# KiCad board Parallel.kicad_pcb (continued)
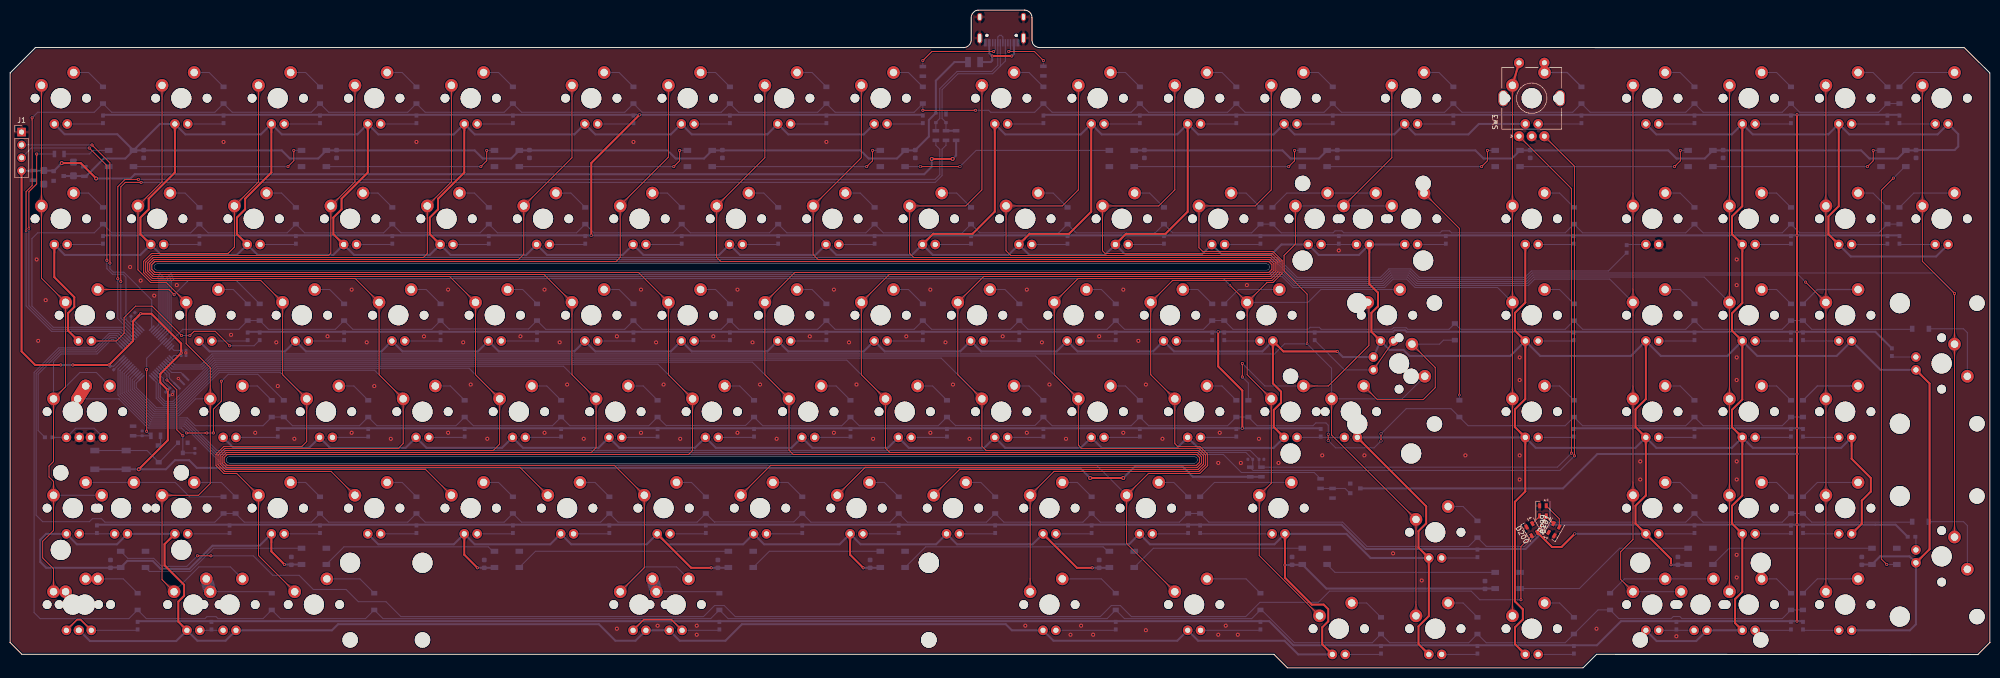
[diagram p0: board, top side]
## Copper pours and planes (outline as drawn; the poured copper is in the pictures) (continued)
Col5 on Top: 104.17,35.98 104.22,35.93 104.27,35.88 104.32,35.82 104.37,35.77 104.41,35.71 104.45,35.65 104.5,35.6 104.54,35.54 104.57,35.48 104.61,35.42 104.64,35.36 104.68,35.3 104.71,35.24 104.73,35.18 104.76,35.12 104.79,35.05 104.81,34.99 104.83,34.93 104.85,34.86 104.87,34.8 104.89,34.73 104.9,34.66 104.91,34.59 104.92,34.53 104.93,34.46 104.94,34.39 104.95,34.32 104.95,34.25 104.95,34.18 104.95,34.1 106.64,33.65 106.19,35.34 106.12,35.34 106.05,35.34 105.98,35.35 105.91,35.35 105.84,35.36 105.77,35.37 105.7,35.38 105.63,35.39 105.57,35.41 105.5,35.42 105.43,35.44 105.37,35.46 105.3,35.48 105.24,35.51 105.18,35.53 105.12,35.56 105.05,35.59 104.99,35.62 104.93,35.65 104.87,35.69 104.81,35.72 104.75,35.76 104.7,35.8 104.64,35.84 104.58,35.88 104.53,35.93 104.47,35.97 104.42,36.02 104.36,36.07 104.31,36.13
Col5 on Top: 115.83,50.37 115.83,50.44 115.83,50.51 115.83,50.59 115.84,50.66 115.85,50.73 115.86,50.8 115.87,50.87 115.88,50.94 115.9,51.01 115.91,51.07 115.93,51.14 115.95,51.21 115.97,51.27 116,51.34 116.02,51.4 116.05,51.46 116.08,51.52 116.11,51.58 116.14,51.64 116.17,51.7 116.21,51.76 116.24,51.82 116.28,51.87 116.32,51.93 116.37,51.99 116.41,52.04 116.45,52.09 116.5,52.15 116.55,52.2 116.6,52.25 115.73,53.77 114.85,52.25 114.9,52.2 114.95,52.15 115,52.09 115.05,52.04 115.09,51.99 115.13,51.93 115.17,51.87 115.21,51.82 115.25,51.76 115.28,51.7 115.32,51.64 115.35,51.58 115.38,51.52 115.41,51.46 115.43,51.4 115.46,51.34 115.48,51.27 115.5,51.21 115.52,51.14 115.54,51.07 115.56,51.01 115.57,50.94 115.59,50.87 115.6,50.8 115.61,50.73 115.61,50.66 115.62,50.59 115.62,50.51 115.63,50.44 115.63,50.37
Col5 on Top: 108.93,74.08 108.98,74.03 109.03,73.98 109.08,73.92 109.13,73.87 109.17,73.81 109.22,73.75 109.26,73.7 109.3,73.64 109.34,73.58 109.37,73.52 109.41,73.46 109.44,73.4 109.47,73.34 109.5,73.28 109.52,73.22 109.55,73.15 109.57,73.09 109.59,73.03 109.61,72.96 109.63,72.9 109.65,72.83 109.66,72.76 109.68,72.69 109.69,72.63 109.7,72.56 109.7,72.49 109.71,72.42 109.71,72.35 109.71,72.28 109.71,72.2 111.41,71.75 110.95,73.44 110.88,73.44 110.81,73.44 110.74,73.45 110.67,73.45 110.6,73.46 110.53,73.47 110.46,73.48 110.39,73.49 110.33,73.51 110.26,73.52 110.2,73.54 110.13,73.56 110.07,73.58 110,73.61 109.94,73.63 109.88,73.66 109.82,73.69 109.75,73.72 109.69,73.75 109.63,73.79 109.58,73.82 109.52,73.86 109.46,73.9 109.4,73.94 109.35,73.98 109.29,74.03 109.23,74.07 109.18,74.12 109.13,74.17 109.07,74.23
Col5 on Top: 101.54,88.47 101.54,88.54 101.54,88.61 101.55,88.69 101.55,88.76 101.56,88.83 101.57,88.9 101.58,88.97 101.59,89.04 101.61,89.11 101.63,89.17 101.64,89.24 101.66,89.31 101.69,89.37 101.71,89.44 101.73,89.5 101.76,89.56 101.79,89.62 101.82,89.68 101.85,89.74 101.88,89.8 101.92,89.86 101.96,89.92 102,89.97 102.04,90.03 102.08,90.09 102.12,90.14 102.17,90.19 102.21,90.25 102.26,90.3 102.31,90.35 101.44,91.87 100.56,90.35 100.62,90.3 100.66,90.25 100.71,90.19 100.76,90.14 100.8,90.09 100.84,90.03 100.88,89.97 100.92,89.92 100.96,89.86 101,89.8 101.03,89.74 101.06,89.68 101.09,89.62 101.12,89.56 101.15,89.5 101.17,89.44 101.19,89.37 101.22,89.31 101.24,89.24 101.25,89.17 101.27,89.11 101.28,89.04 101.3,88.97 101.31,88.9 101.32,88.83 101.33,88.76 101.33,88.69 101.34,88.61 101.34,88.54 101.34,88.47
Col5 on Top: 111.06,69.42 111.07,69.49 111.07,69.56 111.07,69.64 111.08,69.71 111.09,69.78 111.1,69.85 111.11,69.92 111.12,69.99 111.13,70.06 111.15,70.12 111.17,70.19 111.19,70.26 111.21,70.32 111.23,70.39 111.26,70.45 111.29,70.51 111.31,70.57 111.34,70.63 111.38,70.69 111.41,70.75 111.44,70.81 111.48,70.87 111.52,70.92 111.56,70.98 111.6,71.04 111.65,71.09 111.69,71.14 111.74,71.2 111.79,71.25 111.84,71.3 110.96,72.82 110.09,71.3 110.14,71.25 110.19,71.2 110.24,71.14 110.28,71.09 110.33,71.04 110.37,70.98 110.41,70.92 110.45,70.87 110.48,70.81 110.52,70.75 110.55,70.69 110.59,70.63 110.62,70.57 110.64,70.51 110.67,70.45 110.7,70.39 110.72,70.32 110.74,70.26 110.76,70.19 110.78,70.12 110.79,70.06 110.81,69.99 110.82,69.92 110.83,69.85 110.84,69.78 110.85,69.71 110.86,69.64 110.86,69.56 110.86,69.49 110.86,69.42
Col5 on Top: 113.69,55.03 113.75,54.98 113.8,54.93 113.84,54.87 113.89,54.82 113.94,54.76 113.98,54.7 114.02,54.65 114.06,54.59 114.1,54.53 114.13,54.47 114.17,54.41 114.2,54.35 114.23,54.29 114.26,54.23 114.29,54.17 114.31,54.1 114.34,54.04 114.36,53.98 114.38,53.91 114.4,53.85 114.41,53.78 114.43,53.71 114.44,53.64 114.45,53.58 114.46,53.51 114.47,53.44 114.47,53.37 114.48,53.3 114.48,53.23 114.48,53.15 116.17,52.7 115.71,54.39 115.64,54.39 115.57,54.39 115.5,54.4 115.43,54.4 115.36,54.41 115.29,54.42 115.22,54.43 115.16,54.44 115.09,54.46 115.02,54.47 114.96,54.49 114.89,54.51 114.83,54.53 114.77,54.56 114.7,54.58 114.64,54.61 114.58,54.64 114.52,54.67 114.46,54.7 114.4,54.74 114.34,54.77 114.28,54.81 114.22,54.85 114.16,54.89 114.11,54.93 114.05,54.98 114,55.02 113.94,55.07 113.89,55.12 113.83,55.18
Col5 on Bottom: 113.69,55.03 113.75,54.98 113.8,54.93 113.84,54.87 113.89,54.82 113.94,54.76 113.98,54.7 114.02,54.65 114.06,54.59 114.1,54.53 114.13,54.47 114.17,54.41 114.2,54.35 114.23,54.29 114.26,54.23 114.29,54.17 114.31,54.1 114.34,54.04 114.36,53.98 114.38,53.91 114.4,53.85 114.41,53.78 114.43,53.71 114.44,53.64 114.45,53.58 114.46,53.51 114.47,53.44 114.47,53.37 114.48,53.3 114.48,53.23 114.48,53.15 116.17,52.7 115.71,54.39 115.64,54.39 115.57,54.39 115.5,54.4 115.43,54.4 115.36,54.41 115.29,54.42 115.22,54.43 115.16,54.44 115.09,54.46 115.02,54.47 114.96,54.49 114.89,54.51 114.83,54.53 114.77,54.56 114.7,54.58 114.64,54.61 114.58,54.64 114.52,54.67 114.46,54.7 114.4,54.74 114.34,54.77 114.28,54.81 114.22,54.85 114.16,54.89 114.11,54.93 114.05,54.98 114,55.02 113.94,55.07 113.89,55.12 113.83,55.18
Col6 on Top: 130.11,112.28 130.12,112.35 130.12,112.43 130.12,112.5 130.13,112.57 130.14,112.64 130.15,112.71 130.16,112.78 130.17,112.85 130.18,112.92 130.2,112.99 130.22,113.05 130.24,113.12 130.26,113.18 130.28,113.25 130.31,113.31 130.34,113.37 130.36,113.43 130.39,113.5 130.43,113.56 130.46,113.61 130.49,113.67 130.53,113.73 130.57,113.79 130.61,113.84 130.65,113.9 130.7,113.95 130.74,114.01 130.79,114.06 130.84,114.11 130.89,114.16 130.01,115.68 129.14,114.16 129.19,114.11 129.24,114.06 129.29,114.01 129.33,113.95 129.38,113.9 129.42,113.84 129.46,113.79 129.5,113.73 129.53,113.67 129.57,113.61 129.6,113.56 129.64,113.5 129.67,113.43 129.69,113.37 129.72,113.31 129.75,113.25 129.77,113.18 129.79,113.12 129.81,113.05 129.83,112.99 129.84,112.92 129.86,112.85 129.87,112.78 129.88,112.71 129.89,112.64 129.9,112.57 129.91,112.5 129.91,112.43 129.91,112.35 129.91,112.28
Col6 on Top: 122.38,93.4 122.33,93.34 122.27,93.28 122.22,93.22 122.17,93.17 122.11,93.12 122.05,93.07 122,93.02 121.94,92.97 121.88,92.93 121.82,92.89 121.76,92.85 121.7,92.81 121.64,92.78 121.58,92.74 121.51,92.71 121.45,92.68 121.39,92.66 121.32,92.63 121.26,92.61 121.19,92.59 121.13,92.57 121.06,92.55 120.99,92.54 120.92,92.52 120.86,92.51 120.79,92.51 120.72,92.5 120.65,92.49 120.57,92.49 120.5,92.49 120.05,90.8 121.74,91.25 121.74,91.33 121.74,91.4 121.75,91.47 121.75,91.54 121.76,91.61 121.77,91.68 121.78,91.75 121.79,91.82 121.81,91.89 121.82,91.96 121.84,92.03 121.86,92.1 121.88,92.16 121.91,92.23 121.93,92.3 121.96,92.36 121.99,92.43 122.02,92.49 122.05,92.56 122.08,92.63 122.12,92.69 122.16,92.75 122.2,92.82 122.24,92.88 122.28,92.94 122.33,93.01 122.37,93.07 122.42,93.13 122.47,93.19 122.52,93.25
Col6 on Top: 125.35,31.32 125.35,31.39 125.36,31.46 125.36,31.54 125.37,31.61 125.37,31.68 125.38,31.75 125.39,31.82 125.41,31.89 125.42,31.96 125.44,32.02 125.46,32.09 125.48,32.16 125.5,32.22 125.52,32.29 125.55,32.35 125.57,32.41 125.6,32.47 125.63,32.53 125.66,32.59 125.7,32.65 125.73,32.71 125.77,32.77 125.81,32.82 125.85,32.88 125.89,32.94 125.93,32.99 125.98,33.04 126.03,33.1 126.08,33.15 126.13,33.2 125.25,34.72 124.38,33.2 124.43,33.15 124.48,33.1 124.52,33.04 124.57,32.99 124.61,32.94 124.66,32.88 124.7,32.82 124.74,32.77 124.77,32.71 124.81,32.65 124.84,32.59 124.87,32.53 124.9,32.47 124.93,32.41 124.96,32.35 124.98,32.29 125.01,32.22 125.03,32.16 125.05,32.09 125.07,32.02 125.08,31.96 125.1,31.89 125.11,31.82 125.12,31.75 125.13,31.68 125.14,31.61 125.14,31.54 125.15,31.46 125.15,31.39 125.15,31.32
Col6 on Top: 122.38,17.08 122.33,17.02 122.28,16.97 122.22,16.92 122.17,16.88 122.11,16.83 122.05,16.79 122,16.75 121.94,16.71 121.88,16.67 121.82,16.64 121.76,16.6 121.7,16.57 121.64,16.54 121.58,16.51 121.52,16.48 121.45,16.46 121.39,16.43 121.32,16.41 121.26,16.39 121.19,16.37 121.13,16.36 121.06,16.34 120.99,16.33 120.93,16.32 120.86,16.31 120.79,16.3 120.72,16.3 120.65,16.29 120.57,16.29 120.5,16.29 120.05,14.6 121.74,15.05 121.74,15.13 121.74,15.2 121.75,15.27 121.75,15.34 121.76,15.41 121.77,15.48 121.78,15.54 121.79,15.61 121.81,15.68 121.82,15.75 121.84,15.81 121.86,15.88 121.88,15.94 121.91,16 121.93,16.07 121.96,16.13 121.99,16.19 122.02,16.25 122.05,16.31 122.08,16.37 122.12,16.43 122.16,16.49 122.2,16.55 122.24,16.6 122.28,16.66 122.33,16.72 122.37,16.77 122.42,16.83 122.47,16.88 122.52,16.93
Col6 on Top: 123.22,35.98 123.27,35.93 123.32,35.88 123.37,35.82 123.42,35.77 123.46,35.71 123.5,35.65 123.55,35.6 123.59,35.54 123.62,35.48 123.66,35.42 123.69,35.36 123.73,35.3 123.76,35.24 123.79,35.18 123.81,35.12 123.84,35.05 123.86,34.99 123.88,34.93 123.9,34.86 123.92,34.8 123.94,34.73 123.95,34.66 123.96,34.59 123.97,34.53 123.98,34.46 123.99,34.39 124,34.32 124,34.25 124,34.18 124,34.1 125.69,33.65 125.24,35.34 125.17,35.34 125.1,35.34 125.03,35.35 124.96,35.35 124.89,35.36 124.82,35.37 124.75,35.38 124.68,35.39 124.62,35.41 124.55,35.42 124.48,35.44 124.42,35.46 124.35,35.48 124.29,35.51 124.23,35.53 124.17,35.56 124.1,35.59 124.04,35.62 123.98,35.65 123.92,35.69 123.86,35.72 123.8,35.76 123.75,35.8 123.69,35.84 123.63,35.88 123.58,35.93 123.52,35.97 123.47,36.02 123.41,36.07 123.36,36.13
Col6 on Top: 134.88,50.37 134.88,50.44 134.88,50.51 134.88,50.59 134.89,50.66 134.9,50.73 134.91,50.8 134.92,50.87 134.93,50.94 134.95,51.01 134.96,51.07 134.98,51.14 135,51.21 135.02,51.27 135.05,51.34 135.07,51.4 135.1,51.46 135.13,51.52 135.16,51.58 135.19,51.64 135.22,51.7 135.26,51.76 135.29,51.82 135.33,51.87 135.37,51.93 135.42,51.99 135.46,52.04 135.5,52.09 135.55,52.15 135.6,52.2 135.65,52.25 134.78,53.77 133.9,52.25 133.95,52.2 134,52.15 134.05,52.09 134.1,52.04 134.14,51.99 134.18,51.93 134.22,51.87 134.26,51.82 134.3,51.76 134.33,51.7 134.37,51.64 134.4,51.58 134.43,51.52 134.46,51.46 134.48,51.4 134.51,51.34 134.53,51.27 134.55,51.21 134.57,51.14 134.59,51.07 134.61,51.01 134.62,50.94 134.64,50.87 134.65,50.8 134.66,50.73 134.66,50.66 134.67,50.59 134.67,50.51 134.68,50.44 134.68,50.37
Col6 on Top: 130.11,69.42 130.12,69.49 130.12,69.56 130.12,69.64 130.13,69.71 130.14,69.78 130.15,69.85 130.16,69.92 130.17,69.99 130.18,70.06 130.2,70.12 130.22,70.19 130.24,70.26 130.26,70.32 130.28,70.39 130.31,70.45 130.34,70.51 130.36,70.57 130.39,70.63 130.43,70.69 130.46,70.75 130.49,70.81 130.53,70.87 130.57,70.92 130.61,70.98 130.65,71.04 130.7,71.09 130.74,71.14 130.79,71.2 130.84,71.25 130.89,71.3 130.01,72.82 129.14,71.3 129.19,71.25 129.24,71.2 129.29,71.14 129.33,71.09 129.38,71.04 129.42,70.98 129.46,70.92 129.5,70.87 129.53,70.81 129.57,70.75 129.6,70.69 129.64,70.63 129.67,70.57 129.69,70.51 129.72,70.45 129.75,70.39 129.77,70.32 129.79,70.26 129.81,70.19 129.83,70.12 129.84,70.06 129.86,69.99 129.87,69.92 129.88,69.85 129.89,69.78 129.9,69.71 129.91,69.64 129.91,69.56 129.91,69.49 129.91,69.42
Col6 on Top: 132.74,55.03 132.8,54.98 132.85,54.93 132.89,54.87 132.94,54.82 132.99,54.76 133.03,54.7 133.07,54.65 133.11,54.59 133.15,54.53 133.18,54.47 133.22,54.41 133.25,54.35 133.28,54.29 133.31,54.23 133.34,54.17 133.36,54.1 133.39,54.04 133.41,53.98 133.43,53.91 133.45,53.85 133.46,53.78 133.48,53.71 133.49,53.64 133.5,53.58 133.51,53.51 133.52,53.44 133.52,53.37 133.53,53.3 133.53,53.23 133.53,53.15 135.22,52.7 134.76,54.39 134.69,54.39 134.62,54.39 134.55,54.4 134.48,54.4 134.41,54.41 134.34,54.42 134.27,54.43 134.21,54.44 134.14,54.46 134.07,54.47 134.01,54.49 133.94,54.51 133.88,54.53 133.82,54.56 133.75,54.58 133.69,54.61 133.63,54.64 133.57,54.67 133.51,54.7 133.45,54.74 133.39,54.77 133.33,54.81 133.27,54.85 133.21,54.89 133.16,54.93 133.1,54.98 133.05,55.02 132.99,55.07 132.94,55.12 132.88,55.18
Col6 on Top: 127.98,74.08 128.03,74.03 128.08,73.98 128.13,73.92 128.18,73.87 128.22,73.81 128.27,73.75 128.31,73.7 128.35,73.64 128.39,73.58 128.42,73.52 128.46,73.46 128.49,73.4 128.52,73.34 128.55,73.28 128.57,73.22 128.6,73.15 128.62,73.09 128.64,73.03 128.66,72.96 128.68,72.9 128.7,72.83 128.71,72.76 128.73,72.69 128.74,72.63 128.75,72.56 128.75,72.49 128.76,72.42 128.76,72.35 128.76,72.28 128.76,72.2 130.46,71.75 130,73.44 129.93,73.44 129.86,73.44 129.79,73.45 129.72,73.45 129.65,73.46 129.58,73.47 129.51,73.48 129.44,73.49 129.38,73.51 129.31,73.52 129.25,73.54 129.18,73.56 129.12,73.58 129.05,73.61 128.99,73.63 128.93,73.66 128.87,73.69 128.8,73.72 128.74,73.75 128.68,73.79 128.63,73.82 128.57,73.86 128.51,73.9 128.45,73.94 128.4,73.98 128.34,74.03 128.28,74.07 128.23,74.12 128.18,74.17 128.12,74.23
Col6 on Top: 120.59,88.47 120.59,88.54 120.59,88.61 120.6,88.69 120.6,88.76 120.61,88.83 120.62,88.9 120.63,88.97 120.64,89.04 120.66,89.11 120.68,89.17 120.69,89.24 120.71,89.31 120.74,89.37 120.76,89.44 120.78,89.5 120.81,89.56 120.84,89.62 120.87,89.68 120.9,89.74 120.93,89.8 120.97,89.86 121.01,89.92 121.05,89.97 121.09,90.03 121.13,90.09 121.17,90.14 121.22,90.19 121.26,90.25 121.31,90.3 121.36,90.35 120.49,91.87 119.61,90.35 119.67,90.3 119.71,90.25 119.76,90.19 119.81,90.14 119.85,90.09 119.89,90.03 119.93,89.97 119.97,89.92 120.01,89.86 120.05,89.8 120.08,89.74 120.11,89.68 120.14,89.62 120.17,89.56 120.2,89.5 120.22,89.44 120.24,89.37 120.27,89.31 120.29,89.24 120.3,89.17 120.32,89.11 120.33,89.04 120.35,88.97 120.36,88.9 120.37,88.83 120.38,88.76 120.38,88.69 120.39,88.61 120.39,88.54 120.39,88.47
Col6 on Bottom: 131.95,19.47 132,19.42 132.05,19.37 132.1,19.31 132.15,19.26 132.19,19.2 132.24,19.14 132.28,19.09 132.32,19.03 132.35,18.97 132.39,18.91 132.42,18.85 132.46,18.79 132.49,18.73 132.52,18.67 132.54,18.61 132.57,18.54 132.59,18.48 132.61,18.42 132.63,18.35 132.65,18.29 132.67,18.22 132.68,18.15 132.7,18.08 132.71,18.02 132.72,17.95 132.72,17.88 132.73,17.81 132.73,17.74 132.73,17.67 132.73,17.59 134.43,17.14 133.97,18.83 133.9,18.83 133.83,18.83 133.76,18.84 133.69,18.84 133.62,18.85 133.55,18.86 133.48,18.87 133.41,18.88 133.35,18.9 133.28,18.91 133.21,18.93 133.15,18.95 133.09,18.97 133.02,19 132.96,19.02 132.9,19.05 132.83,19.08 132.77,19.11 132.71,19.14 132.65,19.18 132.59,19.21 132.54,19.25 132.48,19.29 132.42,19.33 132.36,19.37 132.31,19.42 132.25,19.46 132.2,19.51 132.14,19.56 132.09,19.62
Col6 on Bottom: 122.38,17.08 122.33,17.02 122.28,16.97 122.22,16.92 122.17,16.88 122.11,16.83 122.05,16.79 122,16.75 121.94,16.71 121.88,16.67 121.82,16.64 121.76,16.6 121.7,16.57 121.64,16.54 121.58,16.51 121.52,16.48 121.45,16.46 121.39,16.43 121.32,16.41 121.26,16.39 121.19,16.37 121.13,16.36 121.06,16.34 120.99,16.33 120.93,16.32 120.86,16.31 120.79,16.3 120.72,16.3 120.65,16.29 120.57,16.29 120.5,16.29 120.05,14.6 121.74,15.05 121.74,15.13 121.74,15.2 121.75,15.27 121.75,15.34 121.76,15.41 121.77,15.48 121.78,15.54 121.79,15.61 121.81,15.68 121.82,15.75 121.84,15.81 121.86,15.88 121.88,15.94 121.91,16 121.93,16.07 121.96,16.13 121.99,16.19 122.02,16.25 122.05,16.31 122.08,16.37 122.12,16.43 122.16,16.49 122.2,16.55 122.24,16.6 122.28,16.66 122.33,16.72 122.37,16.77 122.42,16.83 122.47,16.88 122.52,16.93
Col6 on Bottom: 132.74,55.03 132.8,54.98 132.85,54.93 132.89,54.87 132.94,54.82 132.99,54.76 133.03,54.7 133.07,54.65 133.11,54.59 133.15,54.53 133.18,54.47 133.22,54.41 133.25,54.35 133.28,54.29 133.31,54.23 133.34,54.17 133.36,54.1 133.39,54.04 133.41,53.98 133.43,53.91 133.45,53.85 133.46,53.78 133.48,53.71 133.49,53.64 133.5,53.58 133.51,53.51 133.52,53.44 133.52,53.37 133.53,53.3 133.53,53.23 133.53,53.15 135.22,52.7 134.76,54.39 134.69,54.39 134.62,54.39 134.55,54.4 134.48,54.4 134.41,54.41 134.34,54.42 134.27,54.43 134.21,54.44 134.14,54.46 134.07,54.47 134.01,54.49 133.94,54.51 133.88,54.53 133.82,54.56 133.75,54.58 133.69,54.61 133.63,54.64 133.57,54.67 133.51,54.7 133.45,54.74 133.39,54.77 133.33,54.81 133.27,54.85 133.21,54.89 133.16,54.93 133.1,54.98 133.05,55.02 132.99,55.07 132.94,55.12 132.88,55.18
Col7 on Top: 149.16,112.28 149.17,112.35 149.17,112.43 149.17,112.5 149.18,112.57 149.19,112.64 149.2,112.71 149.21,112.78 149.22,112.85 149.23,112.92 149.25,112.99 149.27,113.05 149.29,113.12 149.31,113.18 149.33,113.25 149.36,113.31 149.39,113.37 149.41,113.43 149.44,113.5 149.48,113.56 149.51,113.61 149.54,113.67 149.58,113.73 149.62,113.79 149.66,113.84 149.7,113.9 149.75,113.95 149.79,114.01 149.84,114.06 149.89,114.11 149.94,114.16 149.06,115.68 148.19,114.16 148.24,114.11 148.29,114.06 148.34,114.01 148.38,113.95 148.43,113.9 148.47,113.84 148.51,113.79 148.55,113.73 148.59,113.67 148.62,113.61 148.65,113.56 148.69,113.5 148.72,113.43 148.74,113.37 148.77,113.31 148.8,113.25 148.82,113.18 148.84,113.12 148.86,113.05 148.88,112.99 148.89,112.92 148.91,112.85 148.92,112.78 148.93,112.71 148.94,112.64 148.95,112.57 148.96,112.5 148.96,112.43 148.96,112.35 148.96,112.28
Col7 on Top: 141.43,93.28 141.38,93.22 141.32,93.17 141.27,93.12 141.22,93.08 141.16,93.03 141.1,92.99 141.05,92.95 140.99,92.91 140.93,92.87 140.87,92.84 140.81,92.8 140.75,92.77 140.69,92.74 140.63,92.71 140.56,92.68 140.5,92.66 140.44,92.63 140.37,92.61 140.31,92.59 140.24,92.57 140.18,92.56 140.11,92.54 140.04,92.53 139.97,92.52 139.91,92.51 139.84,92.5 139.77,92.5 139.7,92.49 139.62,92.49 139.55,92.49 139.1,90.8 140.79,91.25 140.79,91.33 140.79,91.4 140.8,91.47 140.8,91.54 140.81,91.61 140.82,91.68 140.83,91.74 140.84,91.81 140.86,91.88 140.87,91.95 140.89,92.01 140.91,92.08 140.93,92.14 140.96,92.2 140.98,92.27 141.01,92.33 141.04,92.39 141.07,92.45 141.1,92.51 141.13,92.57 141.17,92.63 141.21,92.69 141.25,92.75 141.29,92.8 141.33,92.86 141.38,92.92 141.42,92.97 141.47,93.03 141.52,93.08 141.57,93.13
Col7 on Top: 146.2,36.13 146.14,36.07 146.09,36.02 146.03,35.97 145.98,35.93 145.92,35.88 145.87,35.84 145.81,35.8 145.75,35.76 145.69,35.72 145.63,35.69 145.57,35.65 145.51,35.62 145.45,35.59 145.39,35.56 145.33,35.53 145.26,35.51 145.2,35.48 145.14,35.46 145.07,35.44 145.01,35.42 144.94,35.41 144.87,35.39 144.81,35.38 144.74,35.37 144.67,35.36 144.6,35.35 144.53,35.35 144.46,35.34 144.39,35.34 144.32,35.34 143.86,33.65 145.55,34.1 145.55,34.18 145.55,34.25 145.56,34.32 145.56,34.39 145.57,34.46 145.58,34.53 145.59,34.59 145.6,34.66 145.62,34.73 145.63,34.8 145.65,34.86 145.67,34.93 145.69,34.99 145.72,35.05 145.74,35.12 145.77,35.18 145.8,35.24 145.83,35.3 145.86,35.36 145.9,35.42 145.93,35.48 145.97,35.54 146.01,35.6 146.05,35.65 146.09,35.71 146.14,35.77 146.19,35.82 146.23,35.88 146.28,35.93 146.34,35.98
Col7 on Top: 153.93,50.37 153.93,50.44 153.93,50.51 153.93,50.59 153.94,50.66 153.95,50.73 153.96,50.8 153.97,50.87 153.98,50.94 154,51.01 154.01,51.07 154.03,51.14 154.05,51.21 154.07,51.27 154.1,51.34 154.12,51.4 154.15,51.46 154.18,51.52 154.21,51.58 154.24,51.64 154.27,51.7 154.31,51.76 154.34,51.82 154.38,51.87 154.42,51.93 154.47,51.99 154.51,52.04 154.55,52.09 154.6,52.15 154.65,52.2 154.7,52.25 153.83,53.77 152.95,52.25 153,52.2 153.05,52.15 153.1,52.09 153.15,52.04 153.19,51.99 153.23,51.93 153.27,51.87 153.31,51.82 153.35,51.76 153.38,51.7 153.42,51.64 153.45,51.58 153.48,51.52 153.51,51.46 153.53,51.4 153.56,51.34 153.58,51.27 153.6,51.21 153.62,51.14 153.64,51.07 153.66,51.01 153.67,50.94 153.69,50.87 153.7,50.8 153.71,50.73 153.71,50.66 153.72,50.59 153.72,50.51 153.73,50.44 153.73,50.37
Col7 on Top: 149.16,69.42 149.17,69.49 149.17,69.56 149.17,69.64 149.18,69.71 149.19,69.78 149.2,69.85 149.21,69.92 149.22,69.99 149.23,70.06 149.25,70.12 149.27,70.19 149.29,70.26 149.31,70.32 149.33,70.39 149.36,70.45 149.39,70.51 149.41,70.57 149.44,70.63 149.48,70.69 149.51,70.75 149.54,70.81 149.58,70.87 149.62,70.92 149.66,70.98 149.7,71.04 149.75,71.09 149.79,71.14 149.84,71.2 149.89,71.25 149.94,71.3 149.06,72.82 148.19,71.3 148.24,71.25 148.29,71.2 148.34,71.14 148.38,71.09 148.43,71.04 148.47,70.98 148.51,70.92 148.55,70.87 148.59,70.81 148.62,70.75 148.65,70.69 148.69,70.63 148.72,70.57 148.74,70.51 148.77,70.45 148.8,70.39 148.82,70.32 148.84,70.26 148.86,70.19 148.88,70.12 148.89,70.06 148.91,69.99 148.92,69.92 148.93,69.85 148.94,69.78 148.95,69.71 148.96,69.64 148.96,69.56 148.96,69.49 148.96,69.42
Col7 on Top: 151.79,55.03 151.85,54.98 151.9,54.93 151.94,54.87 151.99,54.82 152.04,54.76 152.08,54.7 152.12,54.65 152.16,54.59 152.2,54.53 152.23,54.47 152.27,54.41 152.3,54.35 152.33,54.29 152.36,54.23 152.39,54.17 152.41,54.1 152.44,54.04 152.46,53.98 152.48,53.91 152.5,53.85 152.51,53.78 152.53,53.71 152.54,53.64 152.55,53.58 152.56,53.51 152.57,53.44 152.57,53.37 152.58,53.3 152.58,53.23 152.58,53.15 154.27,52.7 153.81,54.39 153.74,54.39 153.67,54.39 153.6,54.4 153.53,54.4 153.46,54.41 153.39,54.42 153.32,54.43 153.26,54.44 153.19,54.46 153.12,54.47 153.06,54.49 152.99,54.51 152.93,54.53 152.87,54.56 152.8,54.58 152.74,54.61 152.68,54.64 152.62,54.67 152.56,54.7 152.5,54.74 152.44,54.77 152.38,54.81 152.32,54.85 152.26,54.89 152.21,54.93 152.15,54.98 152.1,55.02 152.04,55.07 151.99,55.12 151.93,55.18
Col7 on Top: 150.96,74.23 150.9,74.17 150.85,74.12 150.8,74.07 150.74,74.03 150.68,73.98 150.63,73.94 150.57,73.9 150.51,73.86 150.45,73.82 150.4,73.79 150.34,73.75 150.27,73.72 150.21,73.69 150.15,73.66 150.09,73.63 150.03,73.61 149.96,73.58 149.9,73.56 149.83,73.54 149.77,73.52 149.7,73.51 149.64,73.49 149.57,73.48 149.5,73.47 149.43,73.46 149.36,73.45 149.29,73.45 149.22,73.44 149.15,73.44 149.08,73.44 148.62,71.75 150.31,72.2 150.31,72.28 150.32,72.35 150.32,72.42 150.33,72.49 150.33,72.56 150.34,72.63 150.35,72.69 150.37,72.76 150.38,72.83 150.4,72.9 150.42,72.96 150.43,73.03 150.46,73.09 150.48,73.15 150.51,73.22 150.53,73.28 150.56,73.34 150.59,73.4 150.62,73.46 150.66,73.52 150.69,73.58 150.73,73.64 150.77,73.7 150.81,73.75 150.86,73.81 150.9,73.87 150.95,73.92 151,73.98 151.05,74.03 151.1,74.08
Col7 on Top: 139.64,88.47 139.64,88.54 139.64,88.61 139.65,88.69 139.65,88.76 139.66,88.83 139.67,88.9 139.68,88.97 139.69,89.04 139.71,89.11 139.73,89.17 139.74,89.24 139.76,89.31 139.79,89.37 139.81,89.44 139.83,89.5 139.86,89.56 139.89,89.62 139.92,89.68 139.95,89.74 139.98,89.8 140.02,89.86 140.06,89.92 140.1,89.97 140.14,90.03 140.18,90.09 140.22,90.14 140.27,90.19 140.31,90.25 140.36,90.3 140.41,90.35 139.54,91.87 138.66,90.35 138.72,90.3 138.76,90.25 138.81,90.19 138.86,90.14 138.9,90.09 138.94,90.03 138.98,89.97 139.02,89.92 139.06,89.86 139.1,89.8 139.13,89.74 139.16,89.68 139.19,89.62 139.22,89.56 139.25,89.5 139.27,89.44 139.29,89.37 139.32,89.31 139.34,89.24 139.35,89.17 139.37,89.11 139.38,89.04 139.4,88.97 139.41,88.9 139.42,88.83 139.43,88.76 139.43,88.69 139.44,88.61 139.44,88.54 139.44,88.47
Col7 on Bottom: 151.79,55.03 151.85,54.98 151.9,54.93 151.94,54.87 151.99,54.82 152.04,54.76 152.08,54.7 152.12,54.65 152.16,54.59 152.2,54.53 152.23,54.47 152.27,54.41 152.3,54.35 152.33,54.29 152.36,54.23 152.39,54.17 152.41,54.1 152.44,54.04 152.46,53.98 152.48,53.91 152.5,53.85 152.51,53.78 152.53,53.71 152.54,53.64 152.55,53.58 152.56,53.51 152.57,53.44 152.57,53.37 152.58,53.3 152.58,53.23 152.58,53.15 154.27,52.7 153.81,54.39 153.74,54.39 153.67,54.39 153.6,54.4 153.53,54.4 153.46,54.41 153.39,54.42 153.32,54.43 153.26,54.44 153.19,54.46 153.12,54.47 153.06,54.49 152.99,54.51 152.93,54.53 152.87,54.56 152.8,54.58 152.74,54.61 152.68,54.64 152.62,54.67 152.56,54.7 152.5,54.74 152.44,54.77 152.38,54.81 152.32,54.85 152.26,54.89 152.21,54.93 152.15,54.98 152.1,55.02 152.04,55.07 151.99,55.12 151.93,55.18
Col8 on Top: 168.21,112.28 168.22,112.35 168.22,112.43 168.22,112.5 168.23,112.57 168.24,112.64 168.25,112.71 168.26,112.78 168.27,112.85 168.28,112.92 168.3,112.99 168.32,113.05 168.34,113.12 168.36,113.18 168.38,113.25 168.41,113.31 168.44,113.37 168.46,113.43 168.49,113.5 168.53,113.56 168.56,113.61 168.59,113.67 168.63,113.73 168.67,113.79 168.71,113.84 168.75,113.9 168.8,113.95 168.84,114.01 168.89,114.06 168.94,114.11 168.99,114.16 168.11,115.68 167.24,114.16 167.29,114.11 167.34,114.06 167.39,114.01 167.43,113.95 167.48,113.9 167.52,113.84 167.56,113.79 167.6,113.73 167.63,113.67 167.67,113.61 167.7,113.56 167.74,113.5 167.77,113.43 167.79,113.37 167.82,113.31 167.85,113.25 167.87,113.18 167.89,113.12 167.91,113.05 167.93,112.99 167.94,112.92 167.96,112.85 167.97,112.78 167.98,112.71 167.99,112.64 168,112.57 168.01,112.5 168.01,112.43 168.01,112.35 168.01,112.28